# KiCad board Soldered Inkplate 4 TEMPERA with glass panel_panel.kicad_pcb (continued)
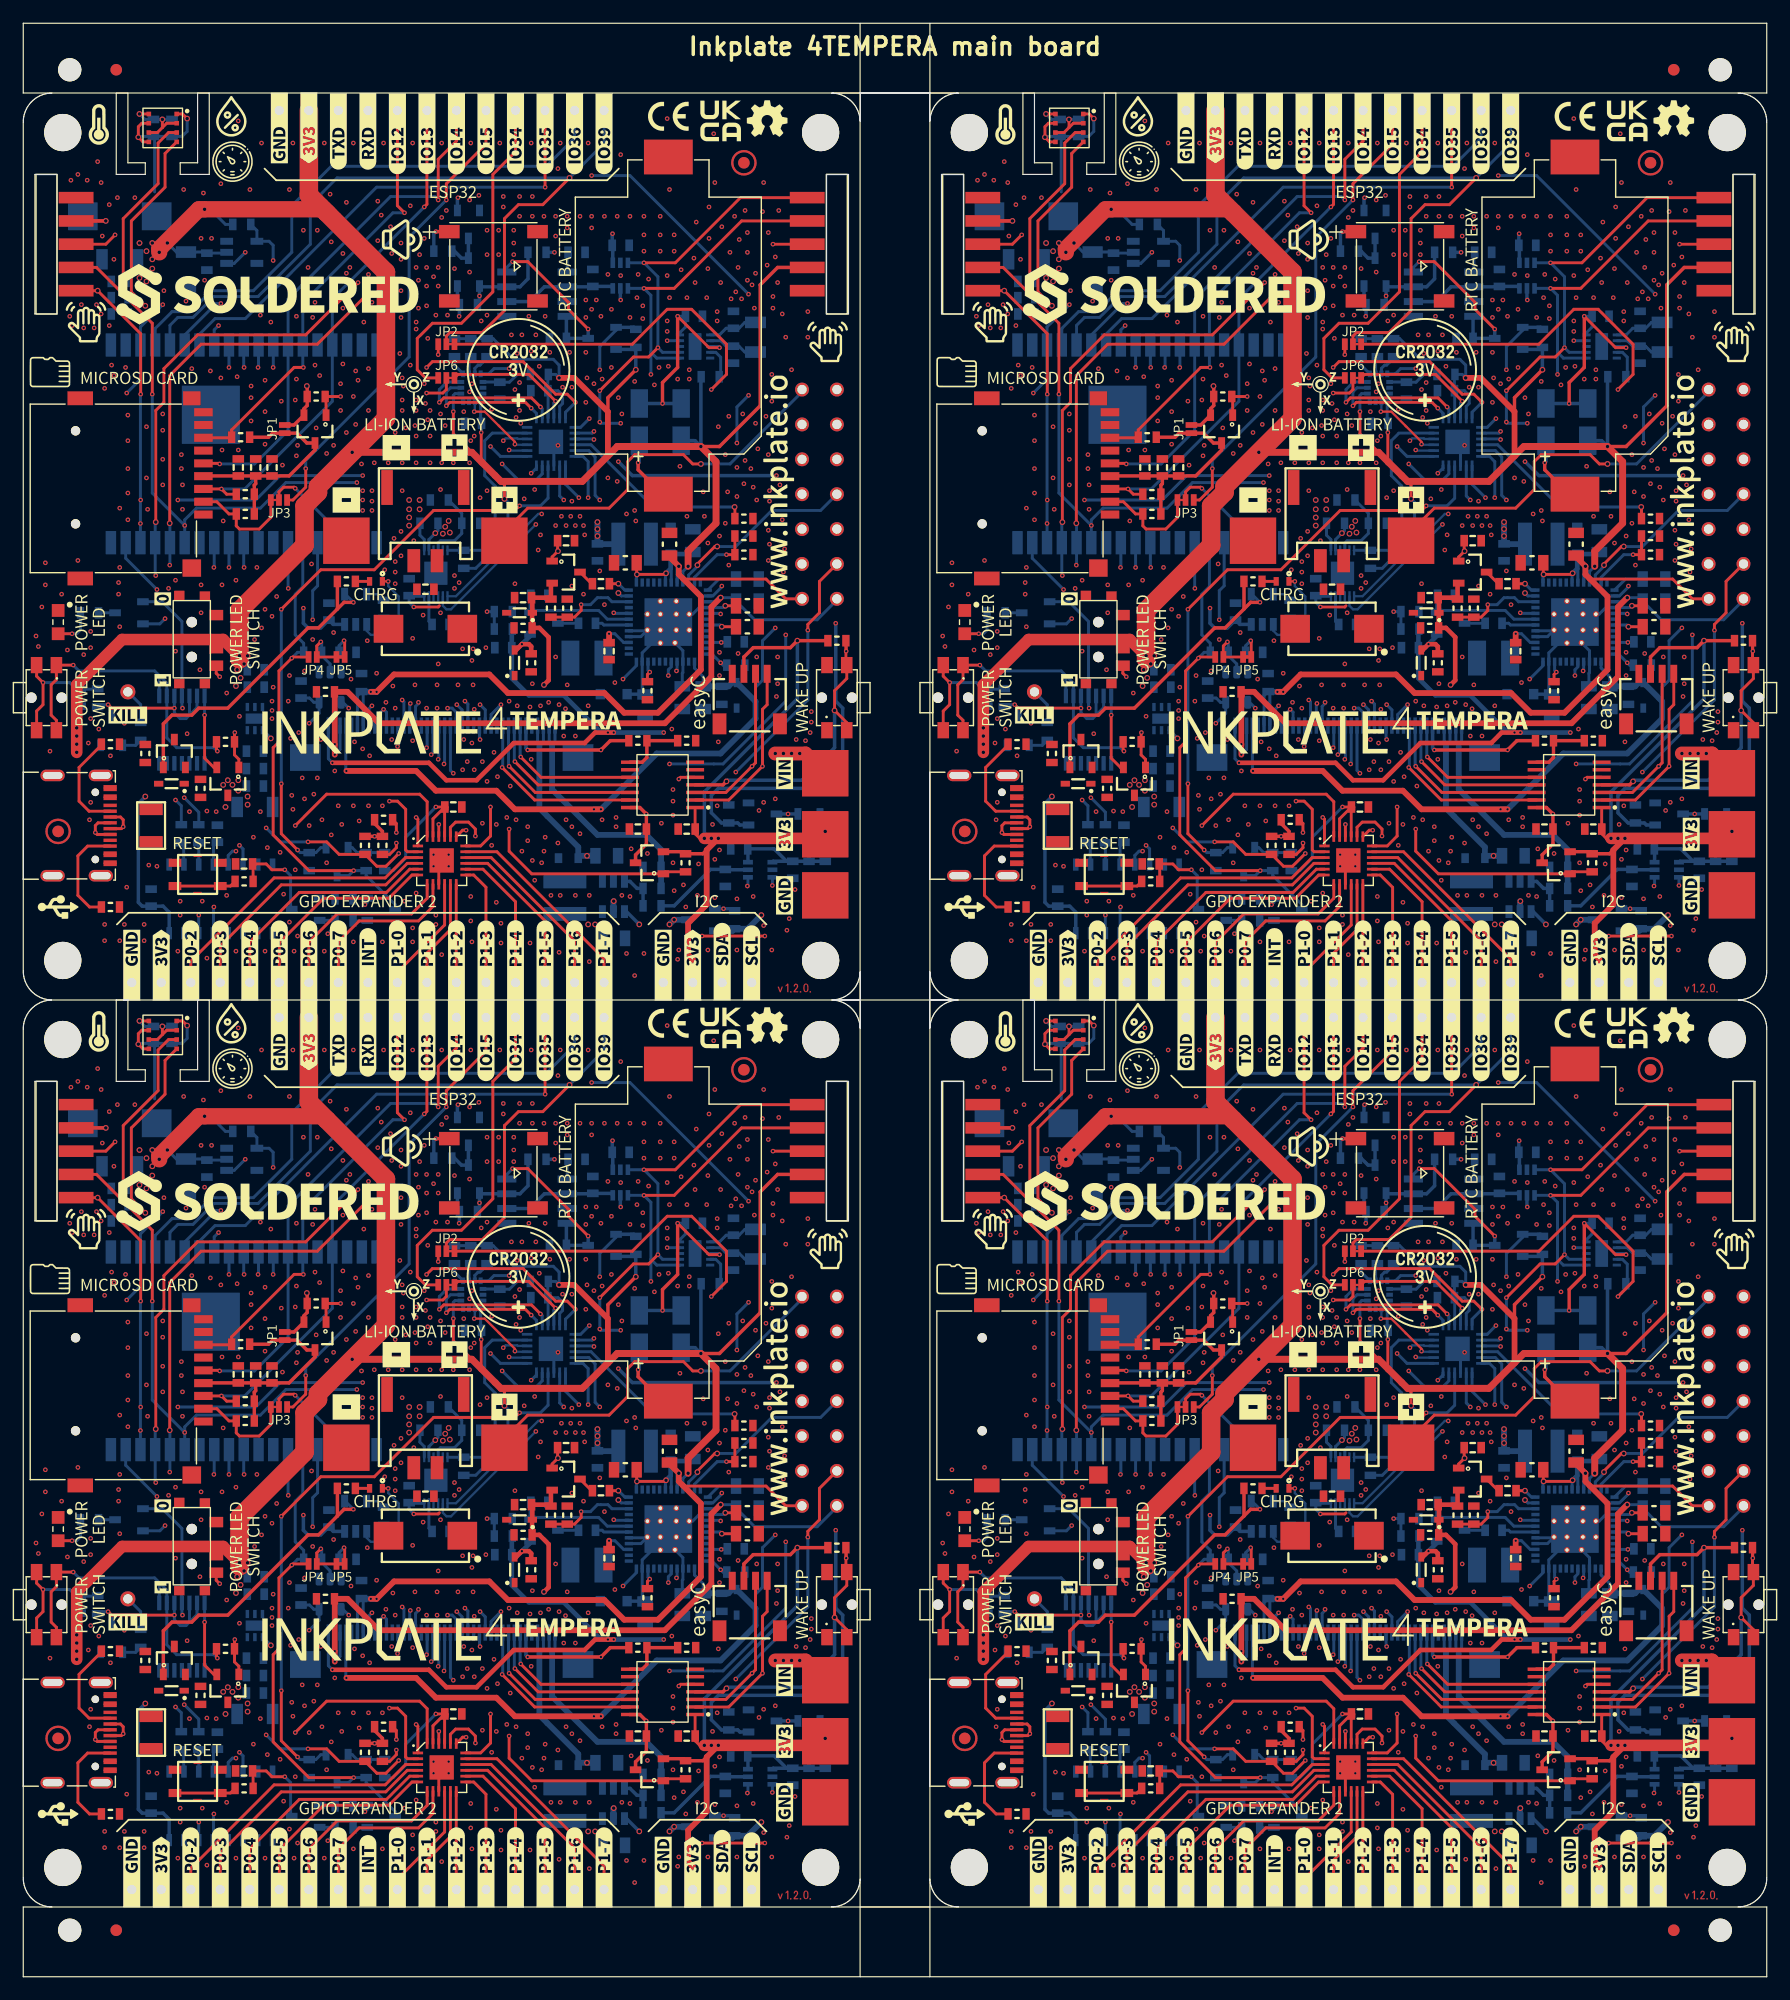
[diagram p0: board, top side]
## Footprints (pads in the part's own frame, mm; a bottom-side part is the same pattern mirrored in y, then rotated) (continued)
SOT-23-3
  rect 1x0.6 smd: 1(1.2,-0.95) 2(1.2,0.95) 3(-1.2,0)
SOT-23-5
  rect 1.1x0.6 smd: 1(1.3,-0.95) 2(1.3,0) 3(1.3,0.95) 4(-1.3,0.95) 5(-1.3,-0.95)
TPS7A2633DRVR
  rect 0.7x0.3 smd: 1(-0.995,0.65) 2(-0.995,0) 3(-0.995,-0.65) 4(0.995,-0.65) 5(0.995,0) 6(0.995,0.65)
  rect 0.89x1.6 smd: 5(0,0)
TSSOP-14
  rect 0.36x1.26 smd: 1(-2,-2.95) 2(-1.35,-2.95) 3(-0.7,-2.95) 4(-0.05,-2.95) 5(0.6,-2.95) 6(1.25,-2.95) 7(1.9,-2.95) 8(1.9,2.85) 9(1.25,2.85) 10(0.6,2.85) 11(-0.05,2.85) 12(-0.7,2.85) 13(-1.35,2.85) 14(-2,2.85)
TXS0104EPWR
  rect 1.55x0.3 smd: 1(-2.8,1.95) 2(-2.8,1.3) 3(-2.8,0.65) 4(-2.8,0) 5(-2.8,-0.65) 6(-2.8,-1.3) 7(-2.8,-1.95) 8(2.8,-1.95) 9(2.8,-1.3) 10(2.79,-0.65) 11(2.8,0) 12(2.8,0.65) 13(2.8,1.3) 14(2.8,1.95)
U262-161N-4BVC11
  round 0.65 hole 0.65 unplated: (-2.913,-3.2) (2.862,-3.2)
  rect 0.3x1.15 smd: A1(3.337,-4.475) A4(2.537,-4.475) A5(1.237,-4.475) A6(0.237,-4.475) A7(-0.263,-4.475) A8(-1.263,-4.475) A9(-2.563,-4.475) A12(-3.338,-4.475) B1(-3.138,-4.475) B4(-2.363,-4.475) B5(-1.763,-4.475) B6(-0.763,-4.475) B7(0.737,-4.475) B8(1.737,-4.475) B9(2.337,-4.475) B12(3.112,-4.475)
  oval 1x2.1 hole 0.6x1.7: SH(-4.313,0.475) SH(-4.313,-3.675) SH(4.312,0.475) SH(4.312,-3.675)
VQFN-49_V2
  rect 0.7x0.3 smd: 1(-3.4,2.75) 2(-3.4,2.25) 3(-3.4,1.75) 4(-3.4,1.25) 5(-3.4,0.75) 6(-3.4,0.25) 7(-3.4,-0.25) 8(-3.4,-0.75) 9(-3.4,-1.25) 10(-3.4,-1.75) 11(-3.4,-2.25) 12(-3.4,-2.75) 25(3.4,-2.75) 26(3.4,-2.25) 27(3.4,-1.75) 28(3.4,-1.25) 29(3.4,-0.75) 30(3.4,-0.25) 31(3.4,0.25) 32(3.4,0.75) 33(3.4,1.25) 34(3.4,1.75) 35(3.4,2.25) 36(3.4,2.75)
  rect 0.3x0.7 smd: 13(-2.75,-3.4) 14(-2.25,-3.4) 15(-1.75,-3.4) 16(-1.25,-3.4) 17(-0.75,-3.4) 18(-0.25,-3.4) 19(0.25,-3.4) 20(0.75,-3.4) 21(1.25,-3.4) 22(1.75,-3.4) 23(2.25,-3.4) 24(2.75,-3.4) 37(2.75,3.4) 38(2.25,3.4) 39(1.75,3.4) 40(1.25,3.4) 41(0.75,3.4) 42(0.25,3.4) 43(-0.25,3.4) 44(-0.75,3.4) 45(-1.25,3.4) 46(-1.75,3.4) 47(-2.25,3.4) 48(-2.75,3.4)
  round 0.5 hole 0.3: 49(-1.8,-0.685) 49(-1.8,0.685) 49(-0.685,-0.685) 49(-0.685,0.685) 49(-0.685,1.8) 49(-0.57,-1.78) 49(0.685,-1.8) 49(0.685,-0.685) 49(0.685,0.685) 49(0.685,1.8) 49(1.8,-0.685) 49(1.8,0.685)
  rect 4.1x4.1 smd: 49(0,0)
YTSA007A0151803B
  rect 0.7x0.25 smd: (0,1.625) (0,-1.625)
  rect 1.1x0.7 smd: 1(-1.95,1) 1(1.95,1) 2(-1.95,-1) 2(1.95,-1)

## Nets
Board_0-/POWER/VDDH_D: C19#3.2 D7.1 U1.35
Board_0-/POWER/VDDH_DRV: C17#3.1 U1.36
Board_0-/POWER/VDDH_FB: R15#4.1 R16#2.2 U1.34
Board_0-/POWER/VEE_D: C18.2 D6#4.2 U1.31
Board_0-/POWER/VEE_DRV: C16.2 U1.30
Board_0-/POWER/VEE_FB: R13#3.1 R14.2 U1.32
Board_1-/POWER/VDDH_D: C19#2.2 D7#3.1 U1#4.35
Board_1-/POWER/VDDH_DRV: C17#2.1 U1#4.36
Board_1-/POWER/VDDH_FB: R15.1 R16.2 U1#4.34
Board_1-/POWER/VEE_D: C18#3.2 D6#2.2 U1#4.31
Board_1-/POWER/VEE_DRV: C16#2.2 U1#4.30
Board_1-/POWER/VEE_FB: R13#2.1 R14#4.2 U1#4.32
Board_2-/POWER/VDDH_D: C19.2 D7#2.1 U1#2.35
Board_2-/POWER/VDDH_DRV: C17#4.1 U1#2.36
Board_2-/POWER/VDDH_FB: R15#2.1 R16#3.2 U1#2.34
Board_2-/POWER/VEE_D: C18#4.2 D6#3.2 U1#2.31
Board_2-/POWER/VEE_DRV: C16#3.2 U1#2.30
Board_2-/POWER/VEE_FB: R13#4.1 R14#2.2 U1#2.32
Board_3-/POWER/VDDH_D: C19#4.2 D7#4.1 U1#3.35
Board_3-/POWER/VDDH_DRV: C17.1 U1#3.36
Board_3-/POWER/VDDH_FB: R15#3.1 R16#4.2 U1#3.34
Board_3-/POWER/VEE_D: C18#2.2 D6.2 U1#3.31
Board_3-/POWER/VEE_DRV: C16#4.2 U1#3.30
Board_3-/POWER/VEE_FB: R13.1 R14#3.2 U1#3.32
Board_0-3V3: C24#2.2 C25#2.2 C26#2.2 C27#3.2 C42#4.2 C53#2.2 C54#3.1 C55#2.2 C56#4.2 C57#3.2 C58#3.2 C59#4.2 C61.2 C63#2.2 C64.2 C65.2 D11#4.1 JP1.2 K4#3.3 K5.1 K13#3.1 K22#2.1 K42#3.4 K43#3.4 PAD4.1 Q8#2.2 Q9.2 Q11.2 Q13#2.2 R1#2.2 R2#4.2 R21#3.2 R26#2.1 R27.2 R39#4.1 R40#3.2 R41#4.2 R52#4.1 R54#3.1 R55.1 R56.1 R57#4.1 R58#4.1 R60.1 S1#2.2 U1.45 U3#2.1 U4#2.2 U10.1 U13.21 U13.23 U14#3.2 U15#4.18 U15#4.21 U15#4.23 U17#3.5 U17#3.8 U17#3.12 U19#4.2 U19#4.6 U19#4.8
Board_0-3V3-EINK: C51#2.2 K1#2.4 K12#4.30 K12#4.31 U1.46 U11#2.5
Board_0-3V3_BUZZER: C60#2.2 C66#4.2 Q13#2.3 Q14#2.2 R61#4.2 U16#2.1 U18.4 U18.8
Board_0-3V3_MICROSD: C39#3.2 C40.2 C41.2 JP1.1 K10#2.4 Q8#2.3 R42#3.2 R43.2 R44#4.2
Board_0-3V3_RTC: C38#4.2 D11#4.2 D12.2 U8#2.3 U8#2.10
Board_0-3V3_TOUCH: C49#4.1 K12#4.6 Q11.3 R46#2.2 U10.14
Board_0-/CTRL & COMS/BIN: R25.2 R28#2.1 U5#2.10
Board_0-/CTRL & COMS/CH_RXD: R34#3.1 U6.3
Board_0-/CTRL & COMS/CH_TXD: R35#2.1 U6.2
Board_0-/CTRL & COMS/DTR: Q3#3.2 R29#4.2 U6.13
Board_0-/CTRL & COMS/RTS: Q2#3.2 R30#4.2 U6.14
Board_0-/E-paper/DAC_OUT: C48#4.2 R50#3.2 U9.5
Board_0-/MCU & GPIO Expanders/GPIO34: JP6#3.2 U14#3.6
Board_0-/MCU & GPIO Expanders/INTB: JP6#3.1 R54#3.2 U13.22
Board_0-/POWER/INT_LDO: C4.2 U1.7
Board_0-/POWER/TS: R11.2 R12#3.2 U1.47
Board_0-/POWER/VB: C11.2 C12#4.2 D2#2.1 U1.37 U1.42 U1.43
Board_0-/POWER/VB_SW: D2#2.2 L2#2.2 U1.40
Board_0-/POWER/VN: C3#3.2 C5#3.2 C8#2.2 D1#4.2 U1.4 U1.16 U1.23 U1.28 U1.29 U1.49
Board_0-/POWER/VN_SW: D1#4.1 L1#4.2 U1.25
Board_0-/POWER/VREF: C1#3.2 U1.1
Board_0-/SD & RTC/X1: C36.2 U8#2.1 X1#4.1
Board_0-/SD & RTC/X2: C37#2.2 U8#2.2 X1#4.2
Board_0-BACKLIGHT_EN: Q10.1 R51#4.2 U13.12
Board_0-BCK_ANODE: C50#3.2 D13.2 K12#4.3 K12#4.4 U12#2.5
Board_0-BCK_CATHODE: K12#4.1 K12#4.2 R48#4.2 R49.1
Board_0-BCK_MOS: Q9.1 Q10.3 Q12.1 R53.1
Board_0-BUZZER_EN: Q13#2.1 R60.2 U13.14
Board_0-CLKOUT_RTC: JP2#4.1 U8#2.9
Board_0-D+: K2#2.A6 K2#2.B6 U6.5
Board_0-D-: K2#2.A7 K2#2.B7 U6.6
Board_0-EPD_CKV: K12#4.13 U14#3.8
Board_0-EPD_CL: K12#4.28 U11#2.4
Board_0-EPD_D0: K12#4.23 U14#3.26
Board_0-EPD_D1: K12#4.22 U14#3.29
Board_0-EPD_D2: K12#4.21 U14#3.30
Board_0-EPD_D3: K12#4.20 U14#3.31
Board_0-EPD_D4: K12#4.19 U14#3.37
Board_0-EPD_D5: K12#4.18 U14#3.10
Board_0-EPD_D6: K12#4.17 U14#3.11
Board_0-EPD_D7: K12#4.16 U14#3.12
Board_0-EPD_GMODE: K12#4.14 U13.2
Board_0-EPD_LE: K12#4.27 U14#3.24
Board_0-EPD_OE: K12#4.26 U13.1
Board_0-EPD_SPH: K12#4.25 U14#3.9
Board_0-EPD_SPV: K12#4.12 U13.3
Board_0-GND: C1#3.1 C2#3.1 C3#3.1 C4.1 C5#3.1 C6#3.1 C7.1 C8#2.1 C9.1 C10#4.1 C11.1 C12#4.1 C13#4.1 C14.1 C15.1 C18.1 C19#3.1 C20#2.1 C21#3.1 C22#4.1 C23#3.1 C24#2.1 C25#2.1 C26#2.1 C27#3.1 C28#3.2 C29#4.1 C30#4.2 C31#3.1 C32#3.1 C33#4.1 C34#2.1 C35#4.1 C36.1 C37#2.1 C38#4.1 C39#3.1 C40.1 C41.1 C42#4.1 C43#4.2 C44.2 C45#4.2 C46#4.1 C47#2.1 C48#4.1 C49#4.2 C50#3.1 C51#2.1 C52#2.1 C53#2.1 C54#3.2 C55#2.1 C56#4.1 C57#3.1 C58#3.1 C59#4.1 C60#2.1 C61.1 C62#3.1 C63#2.1 C64.1 C65.1 C66#4.1 C67.1 C68#2.1 D3#4.1 D4#4.2 D5#3.2 D9#4.2 K1#2.3 K1#2.9 K1#2.10 K1#2.12 K2#2.A1 K2#2.A12 K2#2.B1 K2#2.B12 K2#2.SH K3#2.2 K4#3.4 K4#3.5 K8#4.1 K10#2.6 K11#3.- K12#4.5 K12#4.11 K12#4.15 K12#4.24 K12#4.29 K12#4.32 K12#4.36 K12#4.41 K14#2.1 K23#3.1 K42#3.5 K43#3.5 L1#4.1 PAD2#4.1 PAD5.1 Q5.2 Q10.2 Q15#4.2 R3#2.2 R4#3.2 R5#4.2 R6#4.2 R7.2 R8#4.1 R9#2.1 R10#2.1 R11.1 R12#3.1 R14.1 R16#2.1 R17#4.2 R18#2.2 R20#4.1 R23#4.2 R28#2.2 R38#2.1 R47#3.2 R48#4.1 R51#4.1 SW1#2.1 SW3#2.1 U1.6 U1.8 U1.33 U1.41 U1.48 U2#3.2 U3#2.5 U4#2.3 U5#2.3 U6.1 U7#3.1 U7#3.2 U7#3.5 U7#3.6 U7#3.7 U8#2.5 U9.2 U10.7 U11#2.3 U12#2.2 U13.9 U13.18 U13.25 U14#3.1 U14#3.15 U14#3.38 U14#3.39 U15#4.9 U15#4.25 U16#2.2 U17#3.6 U17#3.7 U18.1 U19#4.1 U19#4.5 U19#4.7 U20.2
Board_0-GPIO15: JP3#3.3 K32#3.1
Board_0-GPIO_0: JP4.1 Q1.3 Q3#3.3 R22#2.1 R45.1 U14#3.25
Board_0-GPIO_0_MOSFET: Q1.1 R20#4.2 U13.10
Board_0-GPIO_36: K25#3.1 R41#4.1 SW3#2.2 U10.4 U14#3.4
Board_0-GPIO_39: JP2#4.2 K24#2.1 U14#3.5
Board_0-GPOUT_FG: R26#2.2 U5#2.12 U13.17
Board_0-I2C_SCL: K1#2.6 K4#3.1 K6.1 K42#3.1 K43#3.1 R1#2.1 U1.17 U5#2.2 U8#2.7 U9.3 U10.2 U13.19 U14#3.36 U15#4.19 U16#2.3 U17#3.13 U19#4.4
Board_0-I2C_SCL_B: K12#4.10 U10.13
Board_0-I2C_SDA: K1#2.5 K4#3.2 K7#2.1 K42#3.2 K43#3.2 R2#4.1 U1.18 U5#2.1 U8#2.6 U9.4 U10.3 U13.20 U14#3.33 U15#4.20 U16#2.4 U17#3.14 U19#4.3
Board_0-I2C_SDA_B: K12#4.9 U10.12
Board_0-INT: U1.2 U13.7
Board_0-INT1_LSM: U13.16 U17#3.4
Board_0-INT2_LSM: U13.15 U17#3.9
Board_0-INT_APDS: K42#3.3 K43#3.3 U13.11
Board_0-MANUAL_RST: C34#2.2 Q2#3.3 R27.1 R32#4.2 U4#2.4
Board_0-Net-(C16-Pad1): C16.1 D6#4.3
Board_0-Net-(C17-Pad2): C17#3.2 D7.3
Board_0-Net-(C28-Pad1): C28#3.1 U5#2.5
Board_0-Net-(C33-Pad2): C33#4.2 U6.4
Board_0-Net-(C35-Pad2): C35#4.2 R37#3.1 SW2#4.2
Board_0-Net-(C43-Pad1): C43#4.1 C44.1 C45#4.1 C47#2.2 Q9.3 U9.1 U9.6
Board_0-Net-(C46-Pad2): C46#4.2 JP5#2.2
Board_0-Net-(C68-Pad2): C68#2.2 U18.5
Board_0-Net-(D8-Pad1): D8#2.1 R19.2
Board_0-Net-(D8-Pad2): D8#2.2 U2#3.1
Board_0-Net-(D9-Pad1): D9#4.1 R31.2
Board_0-Net-(D12-Pad1): D12.1 K11#3.+
Board_0-Net-(D13-Pad1): D13.1 L3#2.1 U12#2.1
Board_0-Net-(F1-Pad2): F1#2.2 K2#2.A4 K2#2.A9 K2#2.B4 K2#2.B9
Board_0-Net-(JP2-Pad3): JP2#4.3 R40#3.1 U8#2.4
Board_0-Net-(JP3-Pad1): JP3#3.1 K10#2.2 R42#3.1
Board_0-Net-(JP4-Pad2): JP4.2 JP5#2.1 R45.2 U11#2.2
Board_0-Net-(JP6-Pad3): JP6#3.3 K17#2.1
Board_0-Net-(K2-PadA5): K2#2.A5 R18#2.1
Board_0-Net-(K2-PadB5): K2#2.B5 R17#4.1
Board_0-Net-(K9-Pad1): K9#4.1 R33.2
Board_0-Net-(K15-Pad1): K15#2.1 U14#3.7
Board_0-Net-(K26-Pad1): K26#2.1 U15#4.3
Board_0-Net-(K27-Pad1): K27#2.1 U15#4.4
Board_0-Net-(K28-Pad1): K28#4.1 U15#4.5
Board_0-Net-(K29-Pad1): K29.1 U15#4.6
Board_0-Net-(K30-Pad1): K30#2.1 U15#4.7
Board_0-Net-(K31-Pad1): K31#3.1 U15#4.8
Board_0-Net-(K33-Pad1): K33#4.1 U15#4.10
Board_0-Net-(K34-Pad1): K34.1 U15#4.11
Board_0-Net-(K35-Pad1): K35#3.1 U15#4.12
Board_0-Net-(K36-Pad1): K36.1 U15#4.13
Board_0-Net-(K37-Pad1): K37#3.1 U15#4.14
Board_0-Net-(K38-Pad1): K38#3.1 U15#4.15
Board_0-Net-(K39-Pad1): K39#4.1 U15#4.16
Board_0-Net-(K40-Pad1): K40#3.1 U15#4.17
Board_0-Net-(K41-Pad1): K41#3.1 R55.2 U15#4.22
Board_0-Net-(Q1-Pad2): Q1.2 R21#3.1 R22#2.2
Board_0-Net-(Q2-Pad1): Q2#3.1 R29#4.1
Board_0-Net-(Q3-Pad1): Q3#3.1 R30#4.1
Board_0-Net-(Q4-Pad2): Q4#3.2 S1#2.3
Board_0-Net-(Q4-Pad3): Q4#3.3 R31.1
Board_0-Net-(Q5-Pad1): Q5.1 R33.1
Board_0-Net-(Q5-Pad3): Q5.3 R37#3.2 U7#3.10 U7#3.12 U7#3.13
Board_0-Net-(Q14-Pad3): Q14#2.3 Q15#4.3 R62#4.1
Board_0-Net-(R23-Pad1): R23#4.1 U2#3.5
Board_0-Net-(R32-Pad1): R32#4.1 SW1#2.2
Board_0-Net-(R36-Pad1): R36#4.1 SW2#4.1 U7#3.8 U7#3.9
Board_0-Net-(R46-Pad1): R46#2.1 R47#3.1 U10.8
Board_0-Net-(R49-Pad2): R49.2 R50#3.1 U12#2.3
Board_0-Net-(R56-Pad2): R56.2 U17#3.1
Board_0-Net-(R57-Pad2): R57#4.2 U17#3.2
Board_0-Net-(R58-Pad2): R58#4.2 U17#3.3
Board_0-Net-(R62-Pad2): R62#4.2 U20.1
Board_0-OUT: Q14#2.1 Q15#4.1 R59.2 R61#4.1 U18.3
Board_0-POT_A: C62#3.2 U16#2.6 U18.2 U18.6
Board_0-POT_W: R59.1 U16#2.5
Board_0-PWR_GOOD: U1.24 U13.8
Board_0-PWRUP: R5#4.1 U1.22 U13.5
Board_0-RST: U4#2.1 U13.24 U14#3.3 U15#4.24
Board_0-RXD: K18#2.1 R35#2.2 U14#3.34
Board_0-SD_ENABLE: Q8#2.1 R39#4.2 U13.13
Board_0-SPI_CS: JP3#3.2 U14#3.23
Board_0-SPI_MISO: K10#2.7 K20#2.1 R44#4.1 U14#3.14
Board_0-SPI_MOSI: K10#2.3 K21#4.1 R43.1 U14#3.16
Board_0-SPI_SCK: K10#2.5 K19#3.1 U14#3.13
Board_0-SW_IN: D10#2.2 Q6#4.2 Q7.2 R63.2 U7#3.14
Board_0-SW_OUT_D: Q4#3.1 Q6#4.1 R36#4.2 U7#3.11
Board_0-TOUCH_EN: Q11.1 R52#4.2 U15#4.1
Board_0-TOUCH_INT_B: K12#4.8 U10.11
Board_0-TOUCH_RESET: U10.5 U15#4.2
Board_0-TOUCH_RESET_B: K12#4.7 U10.10
Board_0-TXD: K16#4.1 R34#3.2 U14#3.35
Board_0-unconnected-(K2-PadA8): K2#2.A8
Board_0-unconnected-(K2-PadB8): K2#2.B8
Board_0-unconnected-(K10-Pad1): K10#2.1
Board_0-unconnected-(K10-Pad8): K10#2.8
Board_0-unconnected-(S1-Pad1): S1#2.1
Board_0-unconnected-(U3-Pad3): U3#2.3
Board_0-unconnected-(U4-Pad5): U4#2.5
Board_0-unconnected-(U5-Pad4): U5#2.4
Board_0-unconnected-(U5-Pad9): U5#2.9
Board_0-unconnected-(U5-Pad11): U5#2.11
Board_0-unconnected-(U6-Pad9): U6.9
Board_0-unconnected-(U6-Pad10): U6.10
Board_0-unconnected-(U6-Pad11): U6.11
Board_0-unconnected-(U6-Pad12): U6.12
Board_0-unconnected-(U6-Pad15): U6.15
Board_0-unconnected-(U7-Pad3): U7#3.3
Board_0-unconnected-(U7-Pad4): U7#3.4
Board_0-unconnected-(U8-Pad8): U8#2.8
Board_0-unconnected-(U10-Pad6): U10.6
Board_0-unconnected-(U10-Pad9): U10.9
Board_0-unconnected-(U11-Pad1): U11#2.1
Board_0-unconnected-(U14-Pad17): U14#3.17
Board_0-unconnected-(U14-Pad18): U14#3.18
Board_0-unconnected-(U14-Pad19): U14#3.19
Board_0-unconnected-(U14-Pad20): U14#3.20
Board_0-unconnected-(U14-Pad21): U14#3.21
Board_0-unconnected-(U14-Pad22): U14#3.22
Board_0-unconnected-(U17-Pad10): U17#3.10
Board_0-unconnected-(U17-Pad11): U17#3.11
Board_0-unconnected-(U18-Pad7): U18.7
Board_0-VBAT: C29#4.2 C30#4.1 C31#3.2 K1#2.8 K3#2.1 PAD1#4.1 R24#2.2 U5#2.6 U5#2.8
Board_0-VCOM: C7.2 D4#4.1 K1#2.11 K12#4.37 R9#2.2 U1.14
Board_0-VCOM_CTRL: R4#3.1 U1.12 U13.6
Board_0-VDDH: C15.2 D3#4.2 D7.2 K1#2.2 K12#4.33 R8#4.2 R15#4.2
Board_0-VEE: C14.2 D5#3.1 D6#4.1 K1#2.13 K12#4.40 R10#2.2 R13#3.2
Board_0-VIN: C6#3.2 C9.2 C10#4.2 C20#2.2 C21#3.2 C22#4.2 C23#3.2 K1#2.7 L2#2.1 PAD3#3.1 Q6#4.3 Q12.2 R53.2 R63.1 U1.10 U1.27 U3#2.4 U3#2.6
Board_0-VIN_BCK: C52#2.2 L3#2.2 Q12.3 U12#2.4 U12#2.6
Board_0-VNEG: C2#3.2 K1#2.1 K12#4.38 K12#4.39 R6#4.1 U1.3
Board_0-VPOS: C13#4.2 K1#2.14 K12#4.34 K12#4.35 R7.1 U1.44
Board_0-VSYS: C67.2 Q7.3 R24#2.1 R25.1 U2#3.3 U5#2.7
Board_0-VUSB: C32#3.2 D10#2.1 F1#2.1 Q7.1 R19.1 R38#2.2 U2#3.4 U6.16
Board_0-WAKEUP: R3#2.1 U1.5 U13.4
Board_1-3V3: C24#3.2 C25.2 C26.2 C27.2 C42#3.2 C53#3.2 C54#2.1 C55#4.2 C56#3.2 C57.2 C58#2.2 C59#3.2 C61#2.2 C63#3.2 C64#4.2 C65#4.2 D11#3.1 JP1#4.2 K4#4.3 K5#4.1 K13#4.1 K22.1 K42#2.4 K43#4.4 PAD4#4.1 Q8#4.2 Q9#4.2 Q11#4.2 Q13.2 R1#3.2 R2#3.2 R21.2 R26#3.1 R27#2.2 R39.1 R40.2 R41#3.2 R52#2.1 R54.1 R55#4.1 R56#3.1 R57.1 R58#3.1 R60#2.1 S1#3.2 U1#4.45 U3#3.1 U4.2 U10#2.1 U13#4.21 U13#4.23 U14.2 U15.18 U15.21 U15.23 U17#2.5 U17#2.8 U17#2.12 U19.2 U19.6 U19.8
Board_1-3V3-EINK: C51#3.2 K1#3.4 K12.30 K12.31 U1#4.46 U11#3.5
Board_1-3V3_BUZZER: C60.2 C66#3.2 Q13.3 Q14#4.2 R61.2 U16#3.1 U18#3.4 U18#3.8
Board_1-3V3_MICROSD: C39#4.2 C40#2.2 C41#2.2 JP1#4.1 K10#4.4 Q8#4.3 R42#2.2 R43#4.2 R44#2.2
Board_1-3V3_RTC: C38#2.2 D11#3.2 D12#2.2 U8#3.3 U8#3.10
Board_1-3V3_TOUCH: C49.1 K12.6 Q11#4.3 R46#4.2 U10#2.14
Board_1-/CTRL & COMS/BIN: R25#2.2 R28#3.1 U5.10
Board_1-/CTRL & COMS/CH_RXD: R34.1 U6#3.3
Board_1-/CTRL & COMS/CH_TXD: R35#4.1 U6#3.2
Board_1-/CTRL & COMS/DTR: Q3#4.2 R29.2 U6#3.13
Board_1-/CTRL & COMS/RTS: Q2#2.2 R30#3.2 U6#3.14
Board_1-/E-paper/DAC_OUT: C48#2.2 R50.2 U9#4.5
Board_1-/MCU & GPIO Expanders/GPIO34: JP6#2.2 U14.6
Board_1-/MCU & GPIO Expanders/INTB: JP6#2.1 R54.2 U13#4.22
Board_1-/POWER/INT_LDO: C4#4.2 U1#4.7
Board_1-/POWER/TS: R11#3.2 R12#2.2 U1#4.47
Board_1-/POWER/VB: C11#4.2 C12#2.2 D2#4.1 U1#4.37 U1#4.42 U1#4.43
Board_1-/POWER/VB_SW: D2#4.2 L2.2 U1#4.40
Board_1-/POWER/VN: C3#2.2 C5.2 C8#3.2 D1#2.2 U1#4.4 U1#4.16 U1#4.23 U1#4.28 U1#4.29 U1#4.49
Board_1-/POWER/VN_SW: D1#2.1 L1#3.2 U1#4.25
Board_1-/POWER/VREF: C1#2.2 U1#4.1
Board_1-/SD & RTC/X1: C36#2.2 U8#3.1 X1#2.1
Board_1-/SD & RTC/X2: C37#4.2 U8#3.2 X1#2.2
Board_1-BACKLIGHT_EN: Q10#2.1 R51#2.2 U13#4.12
Board_1-BCK_ANODE: C50#2.2 D13#4.2 K12.3 K12.4 U12#4.5
Board_1-BCK_CATHODE: K12.1 K12.2 R48#2.2 R49#2.1
Board_1-BCK_MOS: Q9#4.1 Q10#2.3 Q12#4.1 R53#3.1
Board_1-BUZZER_EN: Q13.1 R60#2.2 U13#4.14
Board_1-CLKOUT_RTC: JP2#3.1 U8#3.9
Board_1-D+: K2#3.A6 K2#3.B6 U6#3.5
Board_1-D-: K2#3.A7 K2#3.B7 U6#3.6
Board_1-EPD_CKV: K12.13 U14.8
Board_1-EPD_CL: K12.28 U11#3.4
Board_1-EPD_D0: K12.23 U14.26
Board_1-EPD_D1: K12.22 U14.29
Board_1-EPD_D2: K12.21 U14.30
Board_1-EPD_D3: K12.20 U14.31
Board_1-EPD_D4: K12.19 U14.37
Board_1-EPD_D5: K12.18 U14.10
Board_1-EPD_D6: K12.17 U14.11
Board_1-EPD_D7: K12.16 U14.12
Board_1-EPD_GMODE: K12.14 U13#4.2
Board_1-EPD_LE: K12.27 U14.24
Board_1-EPD_OE: K12.26 U13#4.1
Board_1-EPD_SPH: K12.25 U14.9
Board_1-EPD_SPV: K12.12 U13#4.3
Board_1-GND: C1#2.1 C2.1 C3#2.1 C4#4.1 C5.1 C6.1 C7#4.1 C8#3.1 C9#2.1 C10#2.1 C11#4.1 C12#2.1 C13#2.1 C14#2.1 C15#2.1 C18#3.1 C19#2.1 C20#4.1 C21#4.1 C22#3.1 C23#4.1 C24#3.1 C25.1 C26.1 C27.1 C28.2 C29#3.1 C30.2 C31#2.1 C32#4.1 C33.1 C34#4.1 C35.1 C36#2.1 C37#4.1 C38#2.1 C39#4.1 C40#2.1 C41#2.1 C42#3.1 C43#3.2 C44#2.2 C45#2.2 C46.1 C47.1 C48#2.1 C49.2 C50#2.1 C51#3.1 C52.1 C53#3.1 C54#2.2 C55#4.1 C56#3.1 C57.1 C58#2.1 C59#3.1 C60.1 C61#2.1 C62#4.1 C63#3.1 C64#4.1 C65#4.1 C66#3.1 C67#3.1 C68#4.1 D3.1 D4#2.2 D5#4.2 D9#3.2 K1#3.3 K1#3.9 K1#3.10 K1#3.12 K2#3.A1 K2#3.A12 K2#3.B1 K2#3.B12 K2#3.SH K3#3.2 K4#4.4 K4#4.5 K8.1 K10#4.6 K11#2.- K12.5 K12.11 K12.15 K12.24 K12.29 K12.32 K12.36 K12.41 K14#3.1 K23#4.1 K42#2.5 K43#4.5 L1#3.1 PAD2#2.1 PAD5#2.1 Q5#4.2 Q10#2.2 Q15.2 R3.2 R4#4.2 R5#2.2 R6.2 R7#2.2 R8#2.1 R9#3.1 R10#4.1 R11#3.1 R12#2.1 R14#4.1 R16.1 R17#3.2 R18#3.2 R20#3.1 R23#3.2 R28#3.2 R38.1 R47#2.2 R48#2.1 R51#2.1 SW1#3.1 SW3.1 U1#4.6 U1#4.8 U1#4.33 U1#4.41 U1#4.48 U2.2 U3#3.5 U4.3 U5.3 U6#3.1 U7#2.1 U7#2.2 U7#2.5 U7#2.6 U7#2.7 U8#3.5 U9#4.2 U10#2.7 U11#3.3 U12#4.2 U13#4.9 U13#4.18 U13#4.25 U14.1 U14.15 U14.38 U14.39 U15.9 U15.25 U16#3.2 U17#2.6 U17#2.7 U18#3.1 U19.1 U19.5 U19.7 U20#3.2
Board_1-GPIO15: JP3.3 K32#4.1
Board_1-GPIO_0: JP4#2.1 Q1#2.3 Q3#4.3 R22#3.1 R45#2.1 U14.25
Board_1-GPIO_0_MOSFET: Q1#2.1 R20#3.2 U13#4.10
Board_1-GPIO_36: K25#4.1 R41#3.1 SW3.2 U10#2.4 U14.4
Board_1-GPIO_39: JP2#3.2 K24.1 U14.5
Board_1-GPOUT_FG: R26#3.2 U5.12 U13#4.17
Board_1-I2C_SCL: K1#3.6 K4#4.1 K6#4.1 K42#2.1 K43#4.1 R1#3.1 U1#4.17 U5.2 U8#3.7 U9#4.3 U10#2.2 U13#4.19 U14.36 U15.19 U16#3.3 U17#2.13 U19.4
Board_1-I2C_SCL_B: K12.10 U10#2.13
Board_1-I2C_SDA: K1#3.5 K4#4.2 K7#3.1 K42#2.2 K43#4.2 R2#3.1 U1#4.18 U5.1 U8#3.6 U9#4.4 U10#2.3 U13#4.20 U14.33 U15.20 U16#3.4 U17#2.14 U19.3
Board_1-I2C_SDA_B: K12.9 U10#2.12
Board_1-INT: U1#4.2 U13#4.7
Board_1-INT1_LSM: U13#4.16 U17#2.4
Board_1-INT2_LSM: U13#4.15 U17#2.9
Board_1-INT_APDS: K42#2.3 K43#4.3 U13#4.11
Board_1-MANUAL_RST: C34#4.2 Q2#2.3 R27#2.1 R32.2 U4.4
Board_1-Net-(C16-Pad1): C16#2.1 D6#2.3
Board_1-Net-(C17-Pad2): C17#2.2 D7#3.3
Board_1-Net-(C28-Pad1): C28.1 U5.5
Board_1-Net-(C33-Pad2): C33.2 U6#3.4
Board_1-Net-(C35-Pad2): C35.2 R37.1 SW2#3.2
Board_1-Net-(C43-Pad1): C43#3.1 C44#2.1 C45#2.1 C47.2 Q9#4.3 U9#4.1 U9#4.6
Board_1-Net-(C46-Pad2): C46.2 JP5#4.2
Board_1-Net-(C68-Pad2): C68#4.2 U18#3.5
Board_1-Net-(D8-Pad1): D8#4.1 R19#2.2
Board_1-Net-(D8-Pad2): D8#4.2 U2.1
Board_1-Net-(D9-Pad1): D9#3.1 R31#3.2
Board_1-Net-(D12-Pad1): D12#2.1 K11#2.+
Board_1-Net-(D13-Pad1): D13#4.1 L3#3.1 U12#4.1
Board_1-Net-(F1-Pad2): F1.2 K2#3.A4 K2#3.A9 K2#3.B4 K2#3.B9
Board_1-Net-(JP2-Pad3): JP2#3.3 R40.1 U8#3.4
Board_1-Net-(JP3-Pad1): JP3.1 K10#4.2 R42#2.1
Board_1-Net-(JP4-Pad2): JP4#2.2 JP5#4.1 R45#2.2 U11#3.2
Board_1-Net-(JP6-Pad3): JP6#2.3 K17.1
Board_1-Net-(K2-PadA5): K2#3.A5 R18#3.1
Board_1-Net-(K2-PadB5): K2#3.B5 R17#3.1
Board_1-Net-(K9-Pad1): K9.1 R33#2.2
Board_1-Net-(K15-Pad1): K15#3.1 U14.7
Board_1-Net-(K26-Pad1): K26.1 U15.3
Board_1-Net-(K27-Pad1): K27#4.1 U15.4
Board_1-Net-(K28-Pad1): K28#2.1 U15.5
Board_1-Net-(K29-Pad1): K29#4.1 U15.6
Board_1-Net-(K30-Pad1): K30#4.1 U15.7
Board_1-Net-(K31-Pad1): K31.1 U15.8
Board_1-Net-(K33-Pad1): K33#3.1 U15.10
Board_1-Net-(K34-Pad1): K34#2.1 U15.11
Board_1-Net-(K35-Pad1): K35.1 U15.12
Board_1-Net-(K36-Pad1): K36#3.1 U15.13
Board_1-Net-(K37-Pad1): K37#4.1 U15.14
Board_1-Net-(K38-Pad1): K38#2.1 U15.15
Board_1-Net-(K39-Pad1): K39#3.1 U15.16
Board_1-Net-(K40-Pad1): K40#4.1 U15.17
Board_1-Net-(K41-Pad1): K41.1 R55#4.2 U15.22
Board_1-Net-(Q1-Pad2): Q1#2.2 R21.1 R22#3.2
Board_1-Net-(Q2-Pad1): Q2#2.1 R29.1
Board_1-Net-(Q3-Pad1): Q3#4.1 R30#3.1
Board_1-Net-(Q4-Pad2): Q4#4.2 S1#3.3
Board_1-Net-(Q4-Pad3): Q4#4.3 R31#3.1
Board_1-Net-(Q5-Pad1): Q5#4.1 R33#2.1
Board_1-Net-(Q5-Pad3): Q5#4.3 R37.2 U7#2.10 U7#2.12 U7#2.13
Board_1-Net-(Q14-Pad3): Q14#4.3 Q15.3 R62#3.1
Board_1-Net-(R23-Pad1): R23#3.1 U2.5
Board_1-Net-(R32-Pad1): R32.1 SW1#3.2
Board_1-Net-(R36-Pad1): R36#3.1 SW2#3.1 U7#2.8 U7#2.9
Board_1-Net-(R46-Pad1): R46#4.1 R47#2.1 U10#2.8
Board_1-Net-(R49-Pad2): R49#2.2 R50.1 U12#4.3
Board_1-Net-(R56-Pad2): R56#3.2 U17#2.1
Board_1-Net-(R57-Pad2): R57.2 U17#2.2
Board_1-Net-(R58-Pad2): R58#3.2 U17#2.3
Board_1-Net-(R62-Pad2): R62#3.2 U20#3.1
Board_1-OUT: Q14#4.1 Q15.1 R59#2.2 R61.1 U18#3.3
Board_1-POT_A: C62#4.2 U16#3.6 U18#3.2 U18#3.6
Board_1-POT_W: R59#2.1 U16#3.5
Board_1-PWR_GOOD: U1#4.24 U13#4.8
Board_1-PWRUP: R5#2.1 U1#4.22 U13#4.5
Board_1-RST: U4.1 U13#4.24 U14.3 U15.24
Board_1-RXD: K18#4.1 R35#4.2 U14.34
Board_1-SD_ENABLE: Q8#4.1 R39.2 U13#4.13
Board_1-SPI_CS: JP3.2 U14.23
Board_1-SPI_MISO: K10#4.7 K20.1 R44#2.1 U14.14
Board_1-SPI_MOSI: K10#4.3 K21#3.1 R43#4.1 U14.16
Board_1-SPI_SCK: K10#4.5 K19#4.1 U14.13
Board_1-SW_IN: D10.2 Q6#3.2 Q7#4.2 R63#4.2 U7#2.14
Board_1-SW_OUT_D: Q4#4.1 Q6#3.1 R36#3.2 U7#2.11
Board_1-TOUCH_EN: Q11#4.1 R52#2.2 U15.1
Board_1-TOUCH_INT_B: K12.8 U10#2.11
Board_1-TOUCH_RESET: U10#2.5 U15.2
Board_1-TOUCH_RESET_B: K12.7 U10#2.10
Board_1-TXD: K16#3.1 R34.2 U14.35
Board_1-unconnected-(K2-PadA8): K2#3.A8
Board_1-unconnected-(K2-PadB8): K2#3.B8
Board_1-unconnected-(K10-Pad1): K10#4.1
Board_1-unconnected-(K10-Pad8): K10#4.8
Board_1-unconnected-(S1-Pad1): S1#3.1
Board_1-unconnected-(U3-Pad3): U3#3.3
Board_1-unconnected-(U4-Pad5): U4.5
Board_1-unconnected-(U5-Pad4): U5.4
Board_1-unconnected-(U5-Pad9): U5.9
Board_1-unconnected-(U5-Pad11): U5.11
Board_1-unconnected-(U6-Pad9): U6#3.9
Board_1-unconnected-(U6-Pad10): U6#3.10
Board_1-unconnected-(U6-Pad11): U6#3.11
Board_1-unconnected-(U6-Pad12): U6#3.12
Board_1-unconnected-(U6-Pad15): U6#3.15
Board_1-unconnected-(U7-Pad3): U7#2.3
Board_1-unconnected-(U7-Pad4): U7#2.4
Board_1-unconnected-(U8-Pad8): U8#3.8
Board_1-unconnected-(U10-Pad6): U10#2.6
Board_1-unconnected-(U10-Pad9): U10#2.9
Board_1-unconnected-(U11-Pad1): U11#3.1
Board_1-unconnected-(U14-Pad17): U14.17
Board_1-unconnected-(U14-Pad18): U14.18
Board_1-unconnected-(U14-Pad19): U14.19
Board_1-unconnected-(U14-Pad20): U14.20
Board_1-unconnected-(U14-Pad21): U14.21
Board_1-unconnected-(U14-Pad22): U14.22
Board_1-unconnected-(U17-Pad10): U17#2.10
Board_1-unconnected-(U17-Pad11): U17#2.11
Board_1-unconnected-(U18-Pad7): U18#3.7
Board_1-VBAT: C29#3.2 C30.1 C31#2.2 K1#3.8 K3#3.1 PAD1#2.1 R24.2 U5.6 U5.8
Board_1-VCOM: C7#4.2 D4#2.1 K1#3.11 K12.37 R9#3.2 U1#4.14
Board_1-VCOM_CTRL: R4#4.1 U1#4.12 U13#4.6
Board_1-VDDH: C15#2.2 D3.2 D7#3.2 K1#3.2 K12.33 R8#2.2 R15.2
Board_1-VEE: C14#2.2 D5#4.1 D6#2.1 K1#3.13 K12.40 R10#4.2 R13#2.2
Board_1-VIN: C6.2 C9#2.2 C10#2.2 C20#4.2 C21#4.2 C22#3.2 C23#4.2 K1#3.7 L2.1 PAD3.1 Q6#3.3 Q12#4.2 R53#3.2 R63#4.1 U1#4.10 U1#4.27 U3#3.4 U3#3.6
Board_1-VIN_BCK: C52.2 L3#3.2 Q12#4.3 U12#4.4 U12#4.6
Board_1-VNEG: C2.2 K1#3.1 K12.38 K12.39 R6.1 U1#4.3
Board_1-VPOS: C13#2.2 K1#3.14 K12.34 K12.35 R7#2.1 U1#4.44
Board_1-VSYS: C67#3.2 Q7#4.3 R24.1 R25#2.1 U2.3 U5.7
Board_1-VUSB: C32#4.2 D10.1 F1.1 Q7#4.1 R19#2.1 R38.2 U2.4 U6#3.16
Board_1-WAKEUP: R3.1 U1#4.5 U13#4.4
Board_2-3V3: C24#4.2 C25#4.2 C26#4.2 C27#2.2 C42#2.2 C53#4.2 C54.1 C55#3.2 C56.2 C57#2.2 C58#4.2 C59.2 C61#3.2 C63#4.2 C64#2.2 C65#2.2 D11.1 JP1#3.2 K4#2.3 K5#3.1 K13#2.1 K22#4.1 K42#4.4 K43.4 PAD4#2.1 Q8.2 Q9#3.2 Q11#3.2 Q13#4.2 R1.2 R2.2 R21#4.2 R26.1 R27#4.2 R39#2.1 R40#2.2 R41#2.2 R52.1 R54#2.1 R55#3.1 R56#2.1 R57#2.1 R58#2.1 R60#4.1 S1.2 U1#2.45 U3.1 U4#4.2 U10#3.1 U13#2.21 U13#2.23 U14#2.2 U15#2.18 U15#2.21 U15#2.23 U17.5 U17.8 U17.12 U19#2.2 U19#2.6 U19#2.8
Board_2-3V3-EINK: C51#4.2 K1#4.4 K12#2.30 K12#2.31 U1#2.46 U11#4.5
Board_2-3V3_BUZZER: C60#3.2 C66.2 Q13#4.3 Q14#3.2 R61#2.2 U16#4.1 U18#2.4 U18#2.8
Board_2-3V3_MICROSD: C39#2.2 C40#4.2 C41#4.2 JP1#3.1 K10#3.4 Q8.3 R42#4.2 R43#2.2 R44#3.2
Board_2-3V3_RTC: C38#3.2 D11.2 D12#3.2 U8.3 U8.10
Board_2-3V3_TOUCH: C49#2.1 K12#2.6 Q11#3.3 R46#3.2 U10#3.14
Board_2-/CTRL & COMS/BIN: R25#4.2 R28.1 U5#4.10
Board_2-/CTRL & COMS/CH_RXD: R34#4.1 U6#2.3
Board_2-/CTRL & COMS/CH_TXD: R35#3.1 U6#2.2
Board_2-/CTRL & COMS/DTR: Q3.2 R29#2.2 U6#2.13
Board_2-/CTRL & COMS/RTS: Q2#4.2 R30#2.2 U6#2.14
Board_2-/E-paper/DAC_OUT: C48#3.2 R50#4.2 U9#2.5
Board_2-/MCU & GPIO Expanders/GPIO34: JP6.2 U14#2.6
Board_2-/MCU & GPIO Expanders/INTB: JP6.1 R54#2.2 U13#2.22
Board_2-/POWER/INT_LDO: C4#2.2 U1#2.7
Board_2-/POWER/TS: R11#4.2 R12#4.2 U1#2.47
Board_2-/POWER/VB: C11#3.2 C12#3.2 D2.1 U1#2.37 U1#2.42 U1#2.43
Board_2-/POWER/VB_SW: D2.2 L2#3.2 U1#2.40
Board_2-/POWER/VN: C3#4.2 C5#2.2 C8.2 D1.2 U1#2.4 U1#2.16 U1#2.23 U1#2.28 U1#2.29 U1#2.49
Board_2-/POWER/VN_SW: D1.1 L1.2 U1#2.25
Board_2-/POWER/VREF: C1#4.2 U1#2.1
Board_2-/SD & RTC/X1: C36#3.2 U8.1 X1#3.1
Board_2-/SD & RTC/X2: C37.2 U8.2 X1#3.2
Board_2-BACKLIGHT_EN: Q10#4.1 R51.2 U13#2.12
Board_2-BCK_ANODE: C50.2 D13#3.2 K12#2.3 K12#2.4 U12.5
Board_2-BCK_CATHODE: K12#2.1 K12#2.2 R48#3.2 R49#3.1
Board_2-BCK_MOS: Q9#3.1 Q10#4.3 Q12#2.1 R53#2.1
Board_2-BUZZER_EN: Q13#4.1 R60#4.2 U13#2.14
Board_2-CLKOUT_RTC: JP2.1 U8.9
Board_2-D+: K2.A6 K2.B6 U6#2.5
Board_2-D-: K2.A7 K2.B7 U6#2.6
Board_2-EPD_CKV: K12#2.13 U14#2.8
Board_2-EPD_CL: K12#2.28 U11#4.4
Board_2-EPD_D0: K12#2.23 U14#2.26
Board_2-EPD_D1: K12#2.22 U14#2.29
Board_2-EPD_D2: K12#2.21 U14#2.30
Board_2-EPD_D3: K12#2.20 U14#2.31
Board_2-EPD_D4: K12#2.19 U14#2.37
Board_2-EPD_D5: K12#2.18 U14#2.10
Board_2-EPD_D6: K12#2.17 U14#2.11
Board_2-EPD_D7: K12#2.16 U14#2.12
Board_2-EPD_GMODE: K12#2.14 U13#2.2
Board_2-EPD_LE: K12#2.27 U14#2.24
Board_2-EPD_OE: K12#2.26 U13#2.1
Board_2-EPD_SPH: K12#2.25 U14#2.9
Board_2-EPD_SPV: K12#2.12 U13#2.3
